# Altium PCB CPU_CARD.pcbdoc (part 3 of 10)
Units mil, origin at the board's own origin, x right, y up, seen from the top; angles counter-clockwise.
Board outline 12785.46 x 11935.21 mil, 2 copper layers (Top Layer, Bottom Layer); 169 components, 379 nets, 1548 pads, 1023 vias.
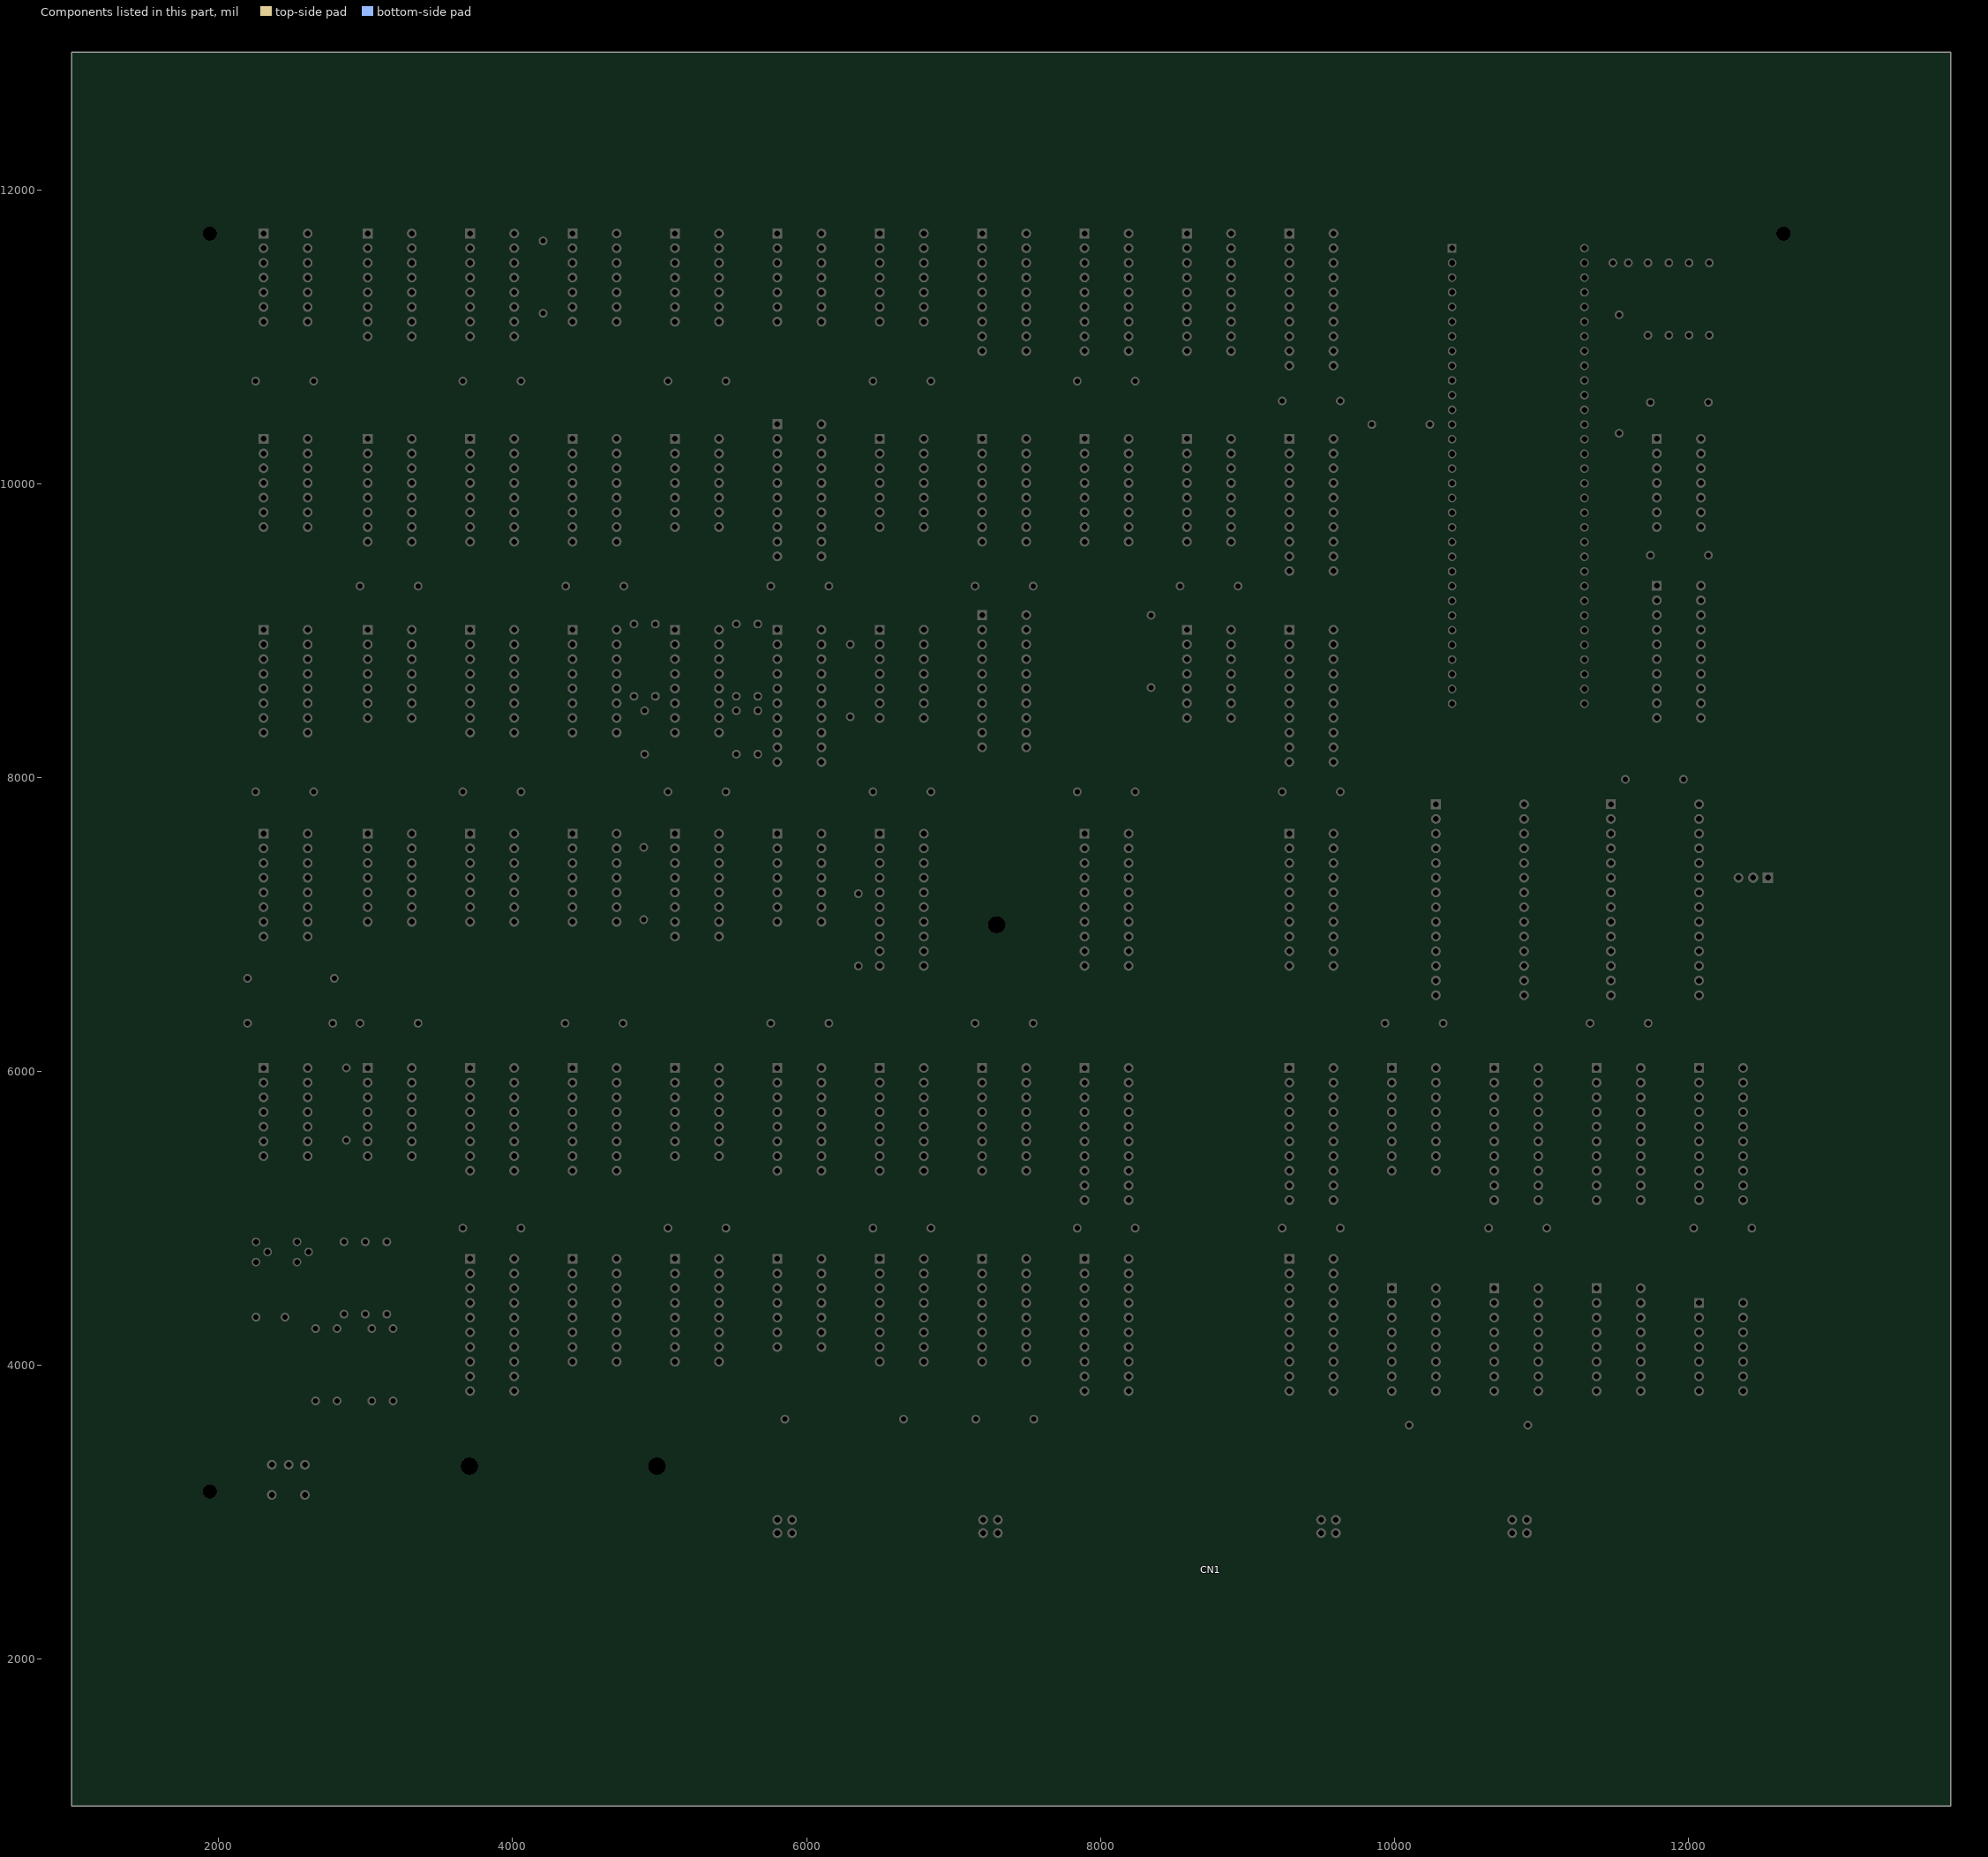
[diagram p3: the components of this part, seen from the top]

## Footprints (in the part's own frame and the unit in brackets; to place one, negate y for a bottom-side part, rotate by r counter-clockwise, add the part's x,y. Pads: shape width x height; smd on the part's side, far side on the other; paste and mask are expansions set on the pad) (continued)
LISA_60_PIN_EDGE_MK5 [mm] (continued)
  Top Layer region: -16.469,4.952 -16.507,4.953 -16.507,4.953 -16.545,4.952 -16.545,4.952 -16.582,4.949 -16.582,4.949 -16.62,4.944 -16.62,4.944 -16.657,4.937 -16.657,4.937 -16.694,4.927 -16.694,4.927 -16.73,4.916 -16.73,4.916 -16.766,4.903 -16.766,4.903 -16.801,4.888 -16.801,4.888 -16.834,4.871 -16.834,4.871 -16.868,4.853 -16.868,4.853 -16.9,4.832 -16.9,4.832 -16.93,4.81 -16.93,4.81 -16.96,4.787 -16.96,4.787 -16.988,4.761 -16.988,4.761 -17.015,4.734 -17.015,4.734 -17.04,4.706 -17.04,4.706 -17.064,4.677 -17.064,4.677 -17.086,4.646 -17.086,4.646 -17.107,4.614 -17.107,4.614 -17.125,4.581 -17.125,4.581 -17.142,4.547 -17.142,4.547 -17.157,4.512 -17.157,4.512 -17.17,4.477 -17.17,4.477 -17.181,4.44 -17.181,4.44 -17.19,4.403 -17.19,4.403 -17.197,4.366 -17.197,4.366 -17.203,4.329 -17.203,4.329 -17.206,4.291 -17.206,4.291 -17.207,4.253 -17.207,4.253 -17.207,-4.953 -17.207,-4.953 -15.807,-4.953 -15.807,-4.953 -15.807,4.253 -15.807,4.253 -15.808,4.291 -15.808,4.291 -15.811,4.329 -15.811,4.329 -15.816,4.366 -15.816,4.366 -15.823,4.403 -15.823,4.403 -15.832,4.44 -15.832,4.44 -15.843,4.477 -15.843,4.477 -15.857,4.512 -15.857,4.512 -15.871,4.547 -15.871,4.547 -15.888,4.581 -15.888,4.581 -15.907,4.614 -15.907,4.614 -15.927,4.646 -15.927,4.646 -15.949,4.677 -15.949,4.677 -15.973,4.706 -15.973,4.706 -15.998,4.734 -15.998,4.734 -16.025,4.761 -16.025,4.761 -16.054,4.787 -16.054,4.787 -16.083,4.81 -16.083,4.81 -16.114,4.832 -16.114,4.832 -16.146,4.853 -16.146,4.853 -16.179,4.871 -16.179,4.871 -16.213,4.888 -16.213,4.888 -16.248,4.903 -16.248,4.903 -16.283,4.916 -16.283,4.916 -16.32,4.927 -16.32,4.927 -16.356,4.937 -16.356,4.937 -16.394,4.944 -16.394,4.944 -16.431,4.949 -16.431,4.949
  Top Layer region: -19.009,4.952 -19.047,4.953 -19.047,4.953 -19.085,4.952 -19.085,4.952 -19.123,4.949 -19.123,4.949 -19.16,4.944 -19.16,4.944 -19.198,4.937 -19.198,4.937 -19.234,4.927 -19.234,4.927 -19.271,4.916 -19.271,4.916 -19.306,4.903 -19.306,4.903 -19.341,4.888 -19.341,4.888 -19.375,4.872 -19.375,4.872 -19.408,4.853 -19.408,4.853 -19.44,4.832 -19.44,4.832 -19.471,4.81 -19.471,4.81 -19.5,4.787 -19.5,4.787 -19.529,4.761 -19.529,4.761 -19.555,4.734 -19.555,4.734 -19.58,4.706 -19.58,4.706 -19.604,4.677 -19.604,4.677 -19.627,4.646 -19.627,4.646 -19.647,4.614 -19.647,4.614 -19.666,4.581 -19.666,4.581 -19.682,4.547 -19.682,4.547 -19.697,4.512 -19.697,4.512 -19.71,4.477 -19.71,4.477 -19.722,4.44 -19.722,4.44 -19.731,4.404 -19.731,4.404 -19.738,4.366 -19.738,4.366 -19.743,4.329 -19.743,4.329 -19.746,4.291 -19.746,4.291 -19.747,4.253 -19.747,4.253 -19.747,-4.953 -19.747,-4.953 -18.347,-4.953 -18.347,-4.953 -18.347,4.253 -18.347,4.253 -18.348,4.291 -18.348,4.291 -18.351,4.329 -18.351,4.329 -18.356,4.366 -18.356,4.366 -18.363,4.404 -18.363,4.404 -18.373,4.44 -18.373,4.44 -18.384,4.477 -18.384,4.477 -18.397,4.512 -18.397,4.512 -18.412,4.547 -18.412,4.547 -18.429,4.581 -18.429,4.581 -18.447,4.614 -18.447,4.614 -18.468,4.646 -18.468,4.646 -18.49,4.677 -18.49,4.677 -18.514,4.706 -18.514,4.706 -18.539,4.734 -18.539,4.734 -18.566,4.761 -18.566,4.761 -18.594,4.787 -18.594,4.787 -18.623,4.81 -18.623,4.81 -18.654,4.832 -18.654,4.832 -18.686,4.853 -18.686,4.853 -18.719,4.872 -18.719,4.872 -18.753,4.888 -18.753,4.888 -18.788,4.903 -18.788,4.903 -18.824,4.916 -18.824,4.916 -18.86,4.927 -18.86,4.927 -18.897,4.937 -18.897,4.937 -18.934,4.944 -18.934,4.944 -18.971,4.949 -18.971,4.949
  Top Layer region: -29.171,4.952 -29.208,4.953 -29.208,4.953 -29.246,4.952 -29.246,4.952 -29.284,4.949 -29.284,4.949 -29.322,4.944 -29.322,4.944 -29.359,4.937 -29.359,4.937 -29.396,4.928 -29.396,4.928 -29.432,4.916 -29.432,4.916 -29.468,4.903 -29.468,4.903 -29.502,4.888 -29.502,4.888 -29.536,4.872 -29.536,4.872 -29.569,4.853 -29.569,4.853 -29.601,4.833 -29.601,4.833 -29.632,4.81 -29.632,4.81 -29.661,4.787 -29.661,4.787 -29.69,4.761 -29.69,4.761 -29.717,4.734 -29.717,4.734 -29.742,4.706 -29.742,4.706 -29.766,4.677 -29.766,4.677 -29.788,4.646 -29.788,4.646 -29.808,4.614 -29.808,4.614 -29.827,4.581 -29.827,4.581 -29.844,4.547 -29.844,4.547 -29.859,4.512 -29.859,4.512 -29.872,4.477 -29.872,4.477 -29.883,4.44 -29.883,4.44 -29.892,4.404 -29.892,4.404 -29.899,4.366 -29.899,4.366 -29.904,4.329 -29.904,4.329 -29.907,4.291 -29.907,4.291 -29.908,4.253 -29.908,4.253 -29.908,-4.953 -29.908,-4.953 -28.508,-4.953 -28.508,-4.953 -28.508,4.253 -28.508,4.253 -28.509,4.291 -28.509,4.291 -28.512,4.329 -28.512,4.329 -28.518,4.366 -28.518,4.366 -28.525,4.404 -28.525,4.404 -28.534,4.44 -28.534,4.44 -28.545,4.477 -28.545,4.477 -28.558,4.512 -28.558,4.512 -28.573,4.547 -28.573,4.547 -28.59,4.581 -28.59,4.581 -28.609,4.614 -28.609,4.614 -28.629,4.646 -28.629,4.646 -28.651,4.677 -28.651,4.677 -28.675,4.706 -28.675,4.706 -28.7,4.734 -28.7,4.734 -28.727,4.761 -28.727,4.761 -28.755,4.787 -28.755,4.787 -28.785,4.81 -28.785,4.81 -28.815,4.833 -28.815,4.833 -28.848,4.853 -28.848,4.853 -28.881,4.872 -28.881,4.872 -28.914,4.888 -28.914,4.888 -28.949,4.903 -28.949,4.903 -28.985,4.916 -28.985,4.916 -29.021,4.928 -29.021,4.928 -29.058,4.937 -29.058,4.937 -29.095,4.944 -29.095,4.944 -29.133,4.949 -29.133,4.949
  Top Layer region: -26.63,4.952 -26.668,4.953 -26.668,4.953 -26.706,4.952 -26.706,4.952 -26.744,4.949 -26.744,4.949 -26.781,4.944 -26.781,4.944 -26.818,4.937 -26.818,4.937 -26.855,4.927 -26.855,4.927 -26.891,4.916 -26.891,4.916 -26.927,4.903 -26.927,4.903 -26.962,4.888 -26.962,4.888 -26.996,4.871 -26.996,4.871 -27.029,4.853 -27.029,4.853 -27.061,4.832 -27.061,4.832 -27.092,4.81 -27.092,4.81 -27.121,4.787 -27.121,4.787 -27.149,4.761 -27.149,4.761 -27.176,4.734 -27.176,4.734 -27.202,4.706 -27.202,4.706 -27.225,4.677 -27.225,4.677 -27.247,4.646 -27.247,4.646 -27.268,4.614 -27.268,4.614 -27.287,4.581 -27.287,4.581 -27.303,4.547 -27.303,4.547 -27.318,4.512 -27.318,4.512 -27.331,4.477 -27.331,4.477 -27.342,4.44 -27.342,4.44 -27.352,4.403 -27.352,4.403 -27.359,4.366 -27.359,4.366 -27.364,4.329 -27.364,4.329 -27.367,4.291 -27.367,4.291 -27.368,4.253 -27.368,4.253 -27.368,-4.953 -27.368,-4.953 -25.968,-4.953 -25.968,-4.953 -25.968,4.253 -25.968,4.253 -25.969,4.291 -25.969,4.291 -25.972,4.329 -25.972,4.329 -25.977,4.366 -25.977,4.366 -25.984,4.403 -25.984,4.403 -25.993,4.44 -25.993,4.44 -26.005,4.477 -26.005,4.477 -26.018,4.512 -26.018,4.512 -26.033,4.547 -26.033,4.547 -26.05,4.581 -26.05,4.581 -26.068,4.614 -26.068,4.614 -26.089,4.646 -26.089,4.646 -26.111,4.677 -26.111,4.677 -26.135,4.706 -26.135,4.706 -26.16,4.734 -26.16,4.734 -26.187,4.761 -26.187,4.761 -26.215,4.787 -26.215,4.787 -26.244,4.81 -26.244,4.81 -26.275,4.832 -26.275,4.832 -26.307,4.853 -26.307,4.853 -26.34,4.871 -26.34,4.871 -26.374,4.888 -26.374,4.888 -26.409,4.903 -26.409,4.903 -26.444,4.916 -26.444,4.916 -26.481,4.927 -26.481,4.927 -26.518,4.937 -26.518,4.937 -26.555,4.944 -26.555,4.944 -26.592,4.949 -26.592,4.949
  Top Layer region: -31.711,4.952 -31.749,4.953 -31.749,4.953 -31.786,4.952 -31.786,4.952 -31.824,4.949 -31.824,4.949 -31.862,4.944 -31.862,4.944 -31.899,4.937 -31.899,4.937 -31.936,4.927 -31.936,4.927 -31.972,4.916 -31.972,4.916 -32.008,4.903 -32.008,4.903 -32.042,4.888 -32.042,4.888 -32.076,4.871 -32.076,4.871 -32.109,4.853 -32.109,4.853 -32.141,4.832 -32.141,4.832 -32.172,4.81 -32.172,4.81 -32.202,4.787 -32.202,4.787 -32.23,4.761 -32.23,4.761 -32.257,4.734 -32.257,4.734 -32.282,4.706 -32.282,4.706 -32.306,4.677 -32.306,4.677 -32.328,4.646 -32.328,4.646 -32.348,4.614 -32.348,4.614 -32.367,4.581 -32.367,4.581 -32.384,4.547 -32.384,4.547 -32.399,4.512 -32.399,4.512 -32.412,4.477 -32.412,4.477 -32.423,4.44 -32.423,4.44 -32.432,4.403 -32.432,4.403 -32.439,4.366 -32.439,4.366 -32.444,4.329 -32.444,4.329 -32.448,4.291 -32.448,4.291 -32.449,4.253 -32.449,4.253 -32.449,-4.953 -32.449,-4.953 -31.049,-4.953 -31.049,-4.953 -31.049,4.253 -31.049,4.253 -31.05,4.291 -31.05,4.291 -31.053,4.329 -31.053,4.329 -31.058,4.366 -31.058,4.366 -31.065,4.403 -31.065,4.403 -31.074,4.44 -31.074,4.44 -31.085,4.477 -31.085,4.477 -31.098,4.512 -31.098,4.512 -31.113,4.547 -31.113,4.547 -31.13,4.581 -31.13,4.581 -31.149,4.614 -31.149,4.614 -31.169,4.646 -31.169,4.646 -31.191,4.677 -31.191,4.677 -31.215,4.706 -31.215,4.706 -31.24,4.734 -31.24,4.734 -31.267,4.761 -31.267,4.761 -31.295,4.787 -31.295,4.787 -31.325,4.81 -31.325,4.81 -31.356,4.832 -31.356,4.832 -31.388,4.853 -31.388,4.853 -31.421,4.871 -31.421,4.871 -31.455,4.888 -31.455,4.888 -31.489,4.903 -31.489,4.903 -31.525,4.916 -31.525,4.916 -31.561,4.927 -31.561,4.927 -31.598,4.937 -31.598,4.937 -31.635,4.944 -31.635,4.944 -31.673,4.949 -31.673,4.949
  Top Layer region: -34.251,4.952 -34.289,4.953 -34.289,4.953 -34.327,4.952 -34.327,4.952 -34.365,4.949 -34.365,4.949 -34.402,4.944 -34.402,4.944 -34.439,4.937 -34.439,4.937 -34.476,4.927 -34.476,4.927 -34.512,4.916 -34.512,4.916 -34.548,4.903 -34.548,4.903 -34.583,4.888 -34.583,4.888 -34.617,4.871 -34.617,4.871 -34.65,4.853 -34.65,4.853 -34.682,4.832 -34.682,4.832 -34.712,4.81 -34.712,4.81 -34.742,4.787 -34.742,4.787 -34.77,4.761 -34.77,4.761 -34.797,4.734 -34.797,4.734 -34.822,4.706 -34.822,4.706 -34.846,4.677 -34.846,4.677 -34.868,4.646 -34.868,4.646 -34.889,4.614 -34.889,4.614 -34.907,4.581 -34.907,4.581 -34.924,4.547 -34.924,4.547 -34.939,4.512 -34.939,4.512 -34.952,4.477 -34.952,4.477 -34.963,4.44 -34.963,4.44 -34.973,4.403 -34.973,4.403 -34.98,4.366 -34.98,4.366 -34.985,4.329 -34.985,4.329 -34.988,4.291 -34.988,4.291 -34.989,4.253 -34.989,4.253 -34.989,-4.953 -34.989,-4.953 -33.589,-4.953 -33.589,-4.953 -33.589,4.253 -33.589,4.253 -33.59,4.291 -33.59,4.291 -33.593,4.329 -33.593,4.329 -33.598,4.366 -33.598,4.366 -33.605,4.403 -33.605,4.403 -33.614,4.44 -33.614,4.44 -33.626,4.477 -33.626,4.477 -33.639,4.512 -33.639,4.512 -33.654,4.547 -33.654,4.547 -33.67,4.581 -33.67,4.581 -33.689,4.614 -33.689,4.614 -33.71,4.646 -33.71,4.646 -33.732,4.677 -33.732,4.677 -33.755,4.706 -33.755,4.706 -33.781,4.734 -33.781,4.734 -33.808,4.761 -33.808,4.761 -33.836,4.787 -33.836,4.787 -33.865,4.81 -33.865,4.81 -33.896,4.832 -33.896,4.832 -33.928,4.853 -33.928,4.853 -33.961,4.871 -33.961,4.871 -33.995,4.888 -33.995,4.888 -34.03,4.903 -34.03,4.903 -34.065,4.916 -34.065,4.916 -34.102,4.927 -34.102,4.927 -34.138,4.937 -34.138,4.937 -34.176,4.944 -34.176,4.944 -34.213,4.949 -34.213,4.949
  Top Layer region: 26.716,4.952 26.678,4.953 26.678,4.953 26.64,4.952 26.64,4.952 26.602,4.949 26.602,4.949 26.565,4.944 26.565,4.944 26.527,4.937 26.527,4.937 26.491,4.928 26.491,4.928 26.454,4.916 26.454,4.916 26.419,4.903 26.419,4.903 26.384,4.888 26.384,4.888 26.35,4.871 26.35,4.871 26.317,4.853 26.317,4.853 26.285,4.833 26.285,4.833 26.254,4.81 26.254,4.81 26.225,4.786 26.225,4.786 26.197,4.761 26.197,4.761 26.17,4.734 26.17,4.734 26.144,4.706 26.144,4.706 26.121,4.677 26.121,4.677 26.098,4.646 26.098,4.646 26.078,4.614 26.078,4.614 26.059,4.581 26.059,4.581 26.043,4.547 26.043,4.547 26.028,4.512 26.028,4.512 26.015,4.477 26.015,4.477 26.003,4.44 26.003,4.44 25.994,4.403 25.994,4.403 25.987,4.366 25.987,4.366 25.982,4.329 25.982,4.329 25.979,4.291 25.979,4.291 25.978,4.253 25.978,4.253 25.978,-4.953 25.978,-4.953 27.378,-4.953 27.378,-4.953 27.378,4.253 27.378,4.253 27.377,4.291 27.377,4.291 27.374,4.329 27.374,4.329 27.369,4.366 27.369,4.366 27.362,4.403 27.362,4.403 27.352,4.44 27.352,4.44 27.341,4.477 27.341,4.477 27.328,4.512 27.328,4.512 27.313,4.547 27.313,4.547 27.296,4.581 27.296,4.581 27.278,4.614 27.278,4.614 27.257,4.646 27.257,4.646 27.235,4.677 27.235,4.677 27.211,4.706 27.211,4.706 27.186,4.734 27.186,4.734 27.159,4.761 27.159,4.761 27.131,4.786 27.131,4.786 27.102,4.81 27.102,4.81 27.071,4.833 27.071,4.833 27.039,4.853 27.039,4.853 27.006,4.871 27.006,4.871 26.972,4.888 26.972,4.888 26.937,4.903 26.937,4.903 26.901,4.916 26.901,4.916 26.865,4.928 26.865,4.928 26.828,4.937 26.828,4.937 26.791,4.944 26.791,4.944 26.754,4.949 26.754,4.949
  Top Layer region: 29.256,4.952 29.218,4.953 29.218,4.953 29.18,4.952 29.18,4.952 29.142,4.949 29.142,4.949 29.105,4.944 29.105,4.944 29.068,4.937 29.068,4.937 29.031,4.928 29.031,4.928 28.995,4.916 28.995,4.916 28.959,4.903 28.959,4.903 28.924,4.888 28.924,4.888 28.89,4.872 28.89,4.872 28.857,4.853 28.857,4.853 28.825,4.833 28.825,4.833 28.795,4.81 28.795,4.81 28.765,4.787 28.765,4.787 28.737,4.761 28.737,4.761 28.71,4.735 28.71,4.735 28.685,4.706 28.685,4.706 28.661,4.677 28.661,4.677 28.639,4.646 28.639,4.646 28.618,4.614 28.618,4.614 28.6,4.581 28.6,4.581 28.583,4.547 28.583,4.547 28.568,4.512 28.568,4.512 28.555,4.477 28.555,4.477 28.544,4.44 28.544,4.44 28.535,4.404 28.535,4.404 28.527,4.366 28.527,4.366 28.522,4.329 28.522,4.329 28.519,4.291 28.519,4.291 28.518,4.253 28.518,4.253 28.518,-4.953 28.518,-4.953 29.918,-4.953 29.918,-4.953 29.918,4.253 29.918,4.253 29.917,4.291 29.917,4.291 29.914,4.329 29.914,4.329 29.909,4.366 29.909,4.366 29.902,4.404 29.902,4.404 29.893,4.44 29.893,4.44 29.881,4.477 29.881,4.477 29.868,4.512 29.868,4.512 29.853,4.547 29.853,4.547 29.836,4.581 29.836,4.581 29.818,4.614 29.818,4.614 29.797,4.646 29.797,4.646 29.775,4.677 29.775,4.677 29.752,4.706 29.752,4.706 29.726,4.735 29.726,4.735 29.699,4.761 29.699,4.761 29.671,4.787 29.671,4.787 29.642,4.81 29.642,4.81 29.611,4.833 29.611,4.833 29.579,4.853 29.579,4.853 29.546,4.872 29.546,4.872 29.512,4.888 29.512,4.888 29.477,4.903 29.477,4.903 29.442,4.916 29.442,4.916 29.405,4.928 29.405,4.928 29.368,4.937 29.368,4.937 29.331,4.944 29.331,4.944 29.294,4.949 29.294,4.949
  Top Layer region: 34.336,4.952 34.299,4.953 34.299,4.953 34.261,4.952 34.261,4.952 34.223,4.949 34.223,4.949 34.185,4.944 34.185,4.944 34.148,4.937 34.148,4.937 34.111,4.927 34.111,4.927 34.075,4.916 34.075,4.916 34.039,4.903 34.039,4.903 34.005,4.888 34.005,4.888 33.971,4.871 33.971,4.871 33.938,4.853 33.938,4.853 33.906,4.832 33.906,4.832 33.875,4.81 33.875,4.81 33.845,4.787 33.845,4.787 33.817,4.761 33.817,4.761 33.79,4.734 33.79,4.734 33.765,4.706 33.765,4.706 33.741,4.677 33.741,4.677 33.719,4.646 33.719,4.646 33.699,4.614 33.699,4.614 33.68,4.581 33.68,4.581 33.663,4.547 33.663,4.547 33.648,4.512 33.648,4.512 33.635,4.477 33.635,4.477 33.624,4.44 33.624,4.44 33.615,4.403 33.615,4.403 33.608,4.366 33.608,4.366 33.603,4.329 33.603,4.329 33.6,4.291 33.6,4.291 33.599,4.253 33.599,4.253 33.599,-4.953 33.599,-4.953 34.999,-4.953 34.999,-4.953 34.999,4.253 34.999,4.253 34.997,4.291 34.997,4.291 34.995,4.329 34.995,4.329 34.989,4.366 34.989,4.366 34.982,4.403 34.982,4.403 34.973,4.44 34.973,4.44 34.962,4.477 34.962,4.477 34.949,4.512 34.949,4.512 34.934,4.547 34.934,4.547 34.917,4.581 34.917,4.581 34.898,4.614 34.898,4.614 34.878,4.646 34.878,4.646 34.856,4.677 34.856,4.677 34.832,4.706 34.832,4.706 34.807,4.734 34.807,4.734 34.78,4.761 34.78,4.761 34.752,4.787 34.752,4.787 34.722,4.81 34.722,4.81 34.691,4.832 34.691,4.832 34.659,4.853 34.659,4.853 34.626,4.871 34.626,4.871 34.592,4.888 34.592,4.888 34.558,4.903 34.558,4.903 34.522,4.916 34.522,4.916 34.486,4.927 34.486,4.927 34.449,4.937 34.449,4.937 34.412,4.944 34.412,4.944 34.374,4.949 34.374,4.949
  Top Layer region: 31.796,4.952 31.758,4.953 31.758,4.953 31.72,4.952 31.72,4.952 31.682,4.949 31.682,4.949 31.645,4.944 31.645,4.944 31.608,4.937 31.608,4.937 31.571,4.928 31.571,4.928 31.535,4.916 31.535,4.916 31.499,4.904 31.499,4.904 31.464,4.888 31.464,4.888 31.43,4.872 31.43,4.872 31.397,4.853 31.397,4.853 31.365,4.833 31.365,4.833 31.335,4.81 31.335,4.81 31.305,4.787 31.305,4.787 31.277,4.761 31.277,4.761 31.25,4.734 31.25,4.734 31.225,4.706 31.225,4.706 31.201,4.677 31.201,4.677 31.179,4.646 31.179,4.646 31.158,4.614 31.158,4.614 31.14,4.581 31.14,4.581 31.123,4.547 31.123,4.547 31.108,4.512 31.108,4.512 31.095,4.477 31.095,4.477 31.084,4.44 31.084,4.44 31.075,4.404 31.075,4.404 31.067,4.366 31.067,4.366 31.062,4.329 31.062,4.329 31.059,4.291 31.059,4.291 31.058,4.253 31.058,4.253 31.058,-4.953 31.058,-4.953 32.458,-4.953 32.458,-4.953 32.458,4.253 32.458,4.253 32.457,4.291 32.457,4.291 32.454,4.329 32.454,4.329 32.449,4.366 32.449,4.366 32.442,4.404 32.442,4.404 32.433,4.44 32.433,4.44 32.422,4.477 32.422,4.477 32.409,4.512 32.409,4.512 32.394,4.547 32.394,4.547 32.377,4.581 32.377,4.581 32.358,4.614 32.358,4.614 32.338,4.646 32.338,4.646 32.315,4.677 32.315,4.677 32.292,4.706 32.292,4.706 32.266,4.734 32.266,4.734 32.24,4.761 32.24,4.761 32.211,4.787 32.211,4.787 32.182,4.81 32.182,4.81 32.151,4.833 32.151,4.833 32.119,4.853 32.119,4.853 32.086,4.872 32.086,4.872 32.052,4.888 32.052,4.888 32.017,4.904 32.017,4.904 31.982,4.916 31.982,4.916 31.945,4.928 31.945,4.928 31.909,4.937 31.909,4.937 31.872,4.944 31.872,4.944 31.834,4.949 31.834,4.949
  Top Layer region: 41.957,4.952 41.92,4.953 41.92,4.953 41.882,4.952 41.882,4.952 41.844,4.949 41.844,4.949 41.806,4.944 41.806,4.944 41.769,4.937 41.769,4.937 41.732,4.928 41.732,4.928 41.696,4.916 41.696,4.916 41.66,4.903 41.66,4.903 41.626,4.888 41.626,4.888 41.592,4.872 41.592,4.872 41.559,4.853 41.559,4.853 41.527,4.833 41.527,4.833 41.496,4.81 41.496,4.81 41.466,4.787 41.466,4.787 41.438,4.761 41.438,4.761 41.411,4.735 41.411,4.735 41.386,4.706 41.386,4.706 41.362,4.677 41.362,4.677 41.34,4.646 41.34,4.646 41.32,4.614 41.32,4.614 41.301,4.581 41.301,4.581 41.284,4.547 41.284,4.547 41.269,4.512 41.269,4.512 41.256,4.477 41.256,4.477 41.245,4.44 41.245,4.44 41.236,4.404 41.236,4.404 41.229,4.366 41.229,4.366 41.224,4.329 41.224,4.329 41.22,4.291 41.22,4.291 41.22,4.253 41.22,4.253 41.22,-4.953 41.22,-4.953 42.619,-4.953 42.619,-4.953 42.619,4.253 42.619,4.253 42.619,4.291 42.619,4.291 42.615,4.329 42.615,4.329 42.61,4.366 42.61,4.366 42.603,4.404 42.603,4.404 42.594,4.44 42.594,4.44 42.583,4.477 42.583,4.477 42.57,4.512 42.57,4.512 42.555,4.547 42.555,4.547 42.538,4.581 42.538,4.581 42.519,4.614 42.519,4.614 42.499,4.646 42.499,4.646 42.477,4.677 42.477,4.677 42.453,4.706 42.453,4.706 42.428,4.735 42.428,4.735 42.401,4.761 42.401,4.761 42.373,4.787 42.373,4.787 42.343,4.81 42.343,4.81 42.312,4.833 42.312,4.833 42.28,4.853 42.28,4.853 42.247,4.872 42.247,4.872 42.213,4.888 42.213,4.888 42.179,4.903 42.179,4.903 42.143,4.916 42.143,4.916 42.107,4.928 42.107,4.928 42.07,4.937 42.07,4.937 42.033,4.944 42.033,4.944 41.995,4.949 41.995,4.949
  Top Layer region: 44.498,4.952 44.46,4.953 44.46,4.953 44.422,4.952 44.422,4.952 44.384,4.949 44.384,4.949 44.347,4.944 44.347,4.944 44.309,4.937 44.309,4.937 44.272,4.927 44.272,4.927 44.236,4.916 44.236,4.916 44.201,4.903 44.201,4.903 44.166,4.888 44.166,4.888 44.132,4.871 44.132,4.871 44.099,4.853 44.099,4.853 44.067,4.832 44.067,4.832 44.036,4.81 44.036,4.81 44.007,4.786 44.007,4.786 43.978,4.761 43.978,4.761 43.952,4.734 43.952,4.734 43.926,4.706 43.926,4.706 43.903,4.677 43.903,4.677 43.881,4.646 43.881,4.646 43.86,4.614 43.86,4.614 43.841,4.581 43.841,4.581 43.825,4.547 43.825,4.547 43.81,4.512 43.81,4.512 43.796,4.477 43.796,4.477 43.785,4.44 43.785,4.44 43.776,4.403 43.776,4.403 43.769,4.366 43.769,4.366 43.764,4.329 43.764,4.329 43.761,4.291 43.761,4.291 43.76,4.253 43.76,4.253 43.76,-4.953 43.76,-4.953 45.16,-4.953 45.16,-4.953 45.16,4.253 45.16,4.253 45.159,4.291 45.159,4.291 45.156,4.329 45.156,4.329 45.151,4.366 45.151,4.366 45.144,4.403 45.144,4.403 45.134,4.44 45.134,4.44 45.123,4.477 45.123,4.477 45.11,4.512 45.11,4.512 45.095,4.547 45.095,4.547 45.078,4.581 45.078,4.581 45.059,4.614 45.059,4.614 45.039,4.646 45.039,4.646 45.017,4.677 45.017,4.677 44.993,4.706 44.993,4.706 44.968,4.734 44.968,4.734 44.941,4.761 44.941,4.761 44.913,4.786 44.913,4.786 44.883,4.81 44.883,4.81 44.853,4.832 44.853,4.832 44.821,4.853 44.821,4.853 44.788,4.871 44.788,4.871 44.754,4.888 44.754,4.888 44.719,4.903 44.719,4.903 44.683,4.916 44.683,4.916 44.647,4.927 44.647,4.927 44.61,4.937 44.61,4.937 44.573,4.944 44.573,4.944 44.535,4.949 44.535,4.949
  Top Layer region: 39.417,4.952 39.379,4.953 39.379,4.953 39.341,4.952 39.341,4.952 39.304,4.949 39.304,4.949 39.266,4.944 39.266,4.944 39.229,4.937 39.229,4.937 39.192,4.927 39.192,4.927 39.156,4.916 39.156,4.916 39.12,4.903 39.12,4.903 39.085,4.888 39.085,4.888 39.051,4.871 39.051,4.871 39.018,4.853 39.018,4.853 38.987,4.832 38.987,4.832 38.956,4.81 38.956,4.81 38.926,4.786 38.926,4.786 38.898,4.761 38.898,4.761 38.871,4.734 38.871,4.734 38.846,4.706 38.846,4.706 38.822,4.677 38.822,4.677 38.8,4.646 38.8,4.646 38.779,4.614 38.779,4.614 38.761,4.581 38.761,4.581 38.744,4.547 38.744,4.547 38.729,4.512 38.729,4.512 38.716,4.477 38.716,4.477 38.705,4.44 38.705,4.44 38.696,4.403 38.696,4.403 38.688,4.366 38.688,4.366 38.683,4.329 38.683,4.329 38.68,4.291 38.68,4.291 38.679,4.253 38.679,4.253 38.679,-4.953 38.679,-4.953 40.079,-4.953 40.079,-4.953 40.079,4.253 40.079,4.253 40.078,4.291 40.078,4.291 40.075,4.329 40.075,4.329 40.07,4.366 40.07,4.366 40.063,4.403 40.063,4.403 40.054,4.44 40.054,4.44 40.043,4.477 40.043,4.477 40.03,4.512 40.03,4.512 40.015,4.547 40.015,4.547 39.998,4.581 39.998,4.581 39.979,4.614 39.979,4.614 39.959,4.646 39.959,4.646 39.936,4.677 39.936,4.677 39.913,4.706 39.913,4.706 39.887,4.734 39.887,4.734 39.861,4.761 39.861,4.761 39.832,4.786 39.832,4.786 39.803,4.81 39.803,4.81 39.772,4.832 39.772,4.832 39.74,4.853 39.74,4.853 39.707,4.871 39.707,4.871 39.673,4.888 39.673,4.888 39.638,4.903 39.638,4.903 39.603,4.916 39.603,4.916 39.567,4.927 39.567,4.927 39.53,4.937 39.53,4.937 39.493,4.944 39.493,4.944 39.455,4.949 39.455,4.949